# Altium PCB PCB1.PcbDoc (part 2 of 2)
Units mm, origin at the board's own origin, x right, y up, seen from the top; angles counter-clockwise.
Board outline 28.4 x 27.84 mm, 4 copper layers (Component Side, Ground Plane, Power Plane, Solder Side), stack 0.844 mm thick; 86 components, 65 nets, 284 pads, 172 vias.
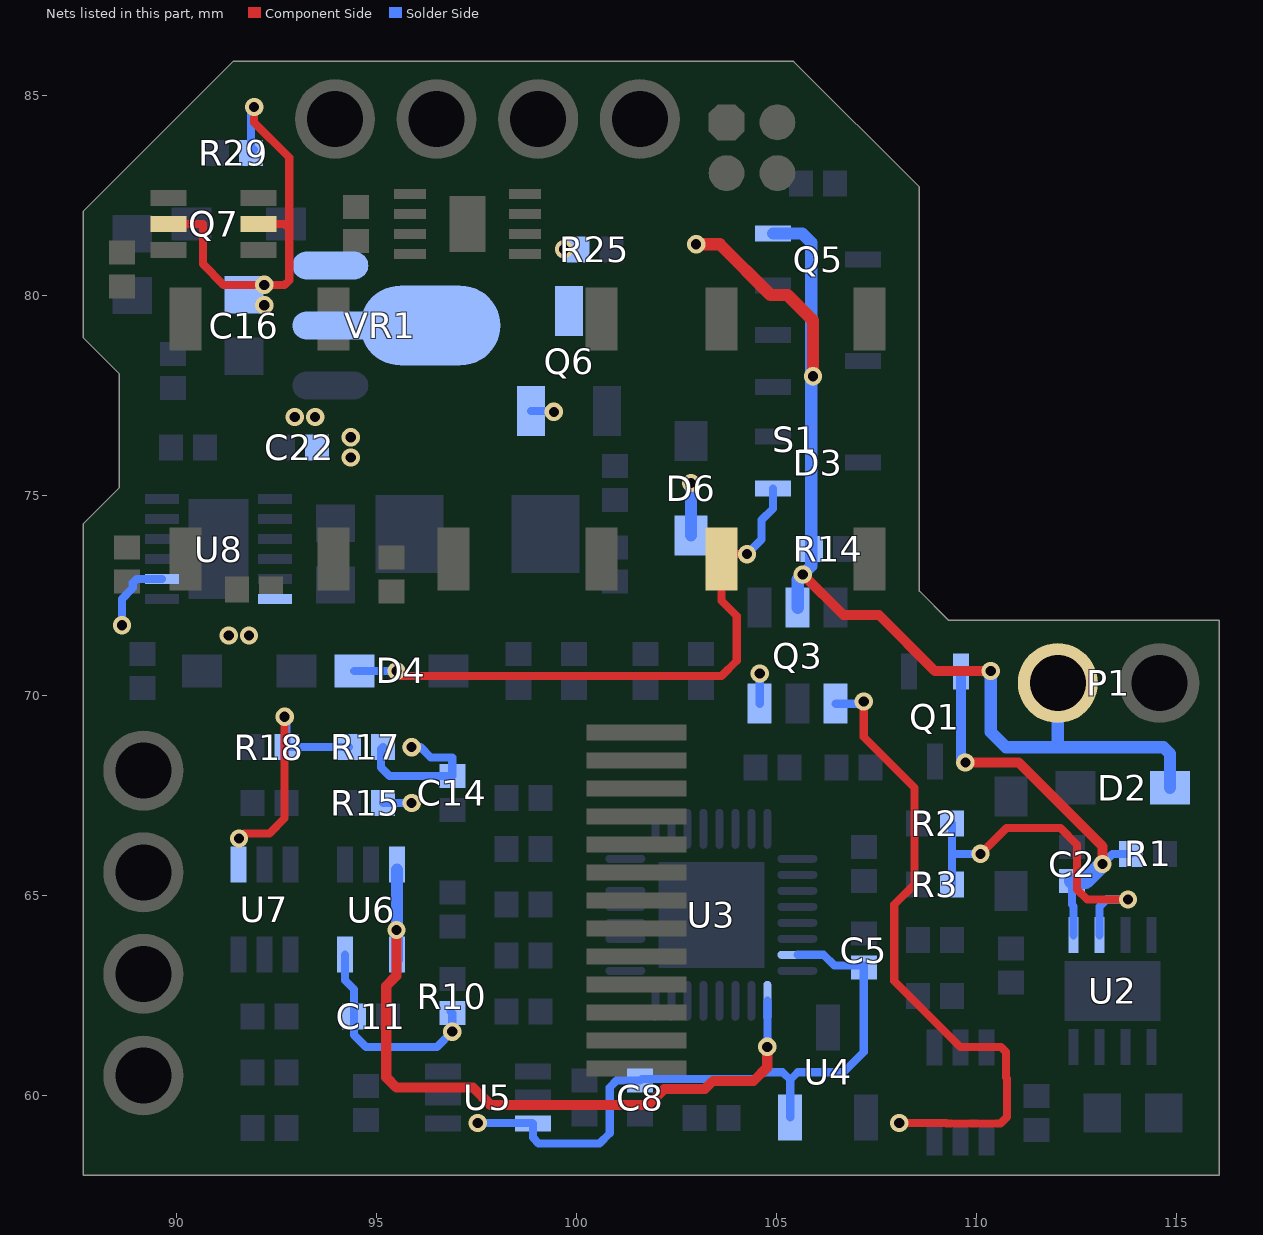
[diagram p4: the nets of this part, all layers, seen from the top]

## Via types
v1: diameter 0.457, hole 0.254, Component Side to Solder Side, tented both sides, 172 vias

## Nets (pads, with @x,y where several pads share a name; then routed paths per layer and width w, separated by ;. In a path a pad name is that pad's centre, name@x,y a point inside that pad or via, vN(x,y) a via of type N, cw(c..) or ccw(c..) an arc to the next point about the centre after c; other vN are vias at no path point) (continued)
UP: D3.1 D4.2 S1.1 | length 15.1
  Component Side w0.203: v1(95.504,70.612) 95.631,70.485 103.632,70.485 104.013,70.866 104.013,71.983 103.628,72.368 S1.1@103.628,73.409 103.752,73.533 v1(104.267,73.533)
  Solder Side w0.203: D4.2@94.451,70.612 v1(95.504,70.612) ; v1(104.267,73.533) 104.635,73.901 104.635,74.384 104.92,74.668 D3.1@104.92,75.169
VACT: Q6.3 VR1.2
VBAT: D2.1 P1.2 Q3.2 Q5.2 Q6.2 R14.2 R25.2 | length 30.4
  Component Side w0.254: v1(105.664,73.025) 106.68,72.009 107.569,72.009 108.966,70.612 v1(110.363,70.612)
  Component Side w0.305: v1(102.997,81.28) 103.586,81.28 104.856,80.01 105.283,80.01 105.918,79.375 v1(105.918,77.978)
  Solder Side w0.203: Q6.2@98.872,77.109 99.421,77.109 v1(99.441,77.089)
  Solder Side w0.305: Q5.2@104.92,81.549 105.649,81.549 105.874,81.324 R14.2@105.874,73.66 105.874,73.235 v1(105.664,73.025) 105.537,72.898 Q3.2@105.537,72.193 ; v1(110.363,70.612) 110.363,69.088 110.744,68.707 114.681,68.707 114.845,68.543 D2.1@114.845,67.691 ; 112.038,68.707 P1.2@112.038,70.309
  other v1: 99.695,81.153
VBS: C14.1 Q3.4 R17.2 | length 20.5
  Component Side w0.203: v1(107.188,69.85) 107.188,68.961 108.458,67.691 108.458,65.278 107.95,64.77 107.95,62.865 109.601,61.214 110.617,61.214 110.744,61.087 110.744,60.452 110.772,60.424 110.772,59.464 110.604,59.296 109.258,59.296 109.246,59.309 v1(108.077,59.309)
  Solder Side w0.203: R17.2@95.167,68.707 95.123,68.663 95.123,68.199 95.333,67.989 C14.1@96.901,67.989 96.901,68.453 96.362,68.453 96.108,68.707 v1(95.885,68.707) v1@95.758,68.707 ; Q3.4@106.487,69.793 107.131,69.793 v1(107.188,69.85)
VDDA: C5.1 C8.1 C11.2 R10.2 R15.2 U3.31 U4.2 U5.3 U6.5 | length 22.8
  Solder Side w0.203: U6.5@94.219,63.518 94.219,62.88 94.444,62.655 C11.2@94.444,61.976 94.444,61.512 94.742,61.214 96.52,61.214 v1(96.901,61.595) R10.2@96.901,62.059 R10.2@96.857,62.103 ; R15.2@95.167,67.31 v1(95.885,67.31) ; v1(97.536,59.309) 98.9,59.309 U5.3@98.915,59.294 98.915,58.946 99.06,58.801 100.584,58.801 100.838,59.055 100.838,60.198 101.009,60.369 C8.1@101.6,60.369 101.645,60.414 104.483,60.414 104.648,60.579 105.161,60.579 105.349,60.391 ; U4.2@105.349,59.454 105.349,60.391 ; U3.31@105.528,63.516 106.182,63.516 106.452,63.246 107.188,63.246 107.188,61.087 106.68,60.579 105.537,60.579 105.349,60.391
VEN: R2.2 R3.2 U2.2 | length 9.1
  Component Side w0.203: v1(110.109,66.04) 110.757,66.688 112.103,66.688 112.522,66.268 112.522,65.151 112.776,64.897 v1(113.792,64.897)
  Solder Side w0.203: R3.2@109.391,65.278 109.391,66.04 ; R2.2@109.391,66.802 109.391,66.04 ; v1(110.109,66.04) 109.391,66.04 ; U2.2@113.086,64.006 113.086,64.725 113.258,64.897 v1(113.792,64.897)
VFB: R17.1 R18.2 U7.1 | length 6.2
  Component Side w0.203: v1(91.567,66.421) 91.694,66.548 92.329,66.548 92.71,66.929 v1(92.71,69.469)
  Solder Side w0.203: v1(92.71,69.469) 92.754,69.425 R18.2@92.754,68.707 R17.1@94.317,68.707
VLDO: C2.2 Q1.2 R1.2 U2.1 | length 10.2
  Component Side w0.254: v1(109.728,68.326) 111.057,68.326 113.157,66.226 v1(113.157,65.786)
  Solder Side w0.203: C2.2@112.395,65.361 112.395,64.77 112.436,64.729 U2.1@112.436,64.006 ; v1(113.157,65.786) 113.411,66.04 R1.2@113.875,66.04
  Solder Side w0.254: Q1.2@109.616,70.594 109.616,68.438 v1(109.728,68.326)
  Solder Side w0.406: C2.2@112.395,65.361 112.732,65.361 v1(113.157,65.786)
VNEG: C16.2 C22.2 Q7.2 Q7.5 R29.2 U8.2 U8.12 VR1.3 | length 13
  Component Side w0.203: Q7.2@89.807,81.788 90.665,81.788 90.665,80.785 91.186,80.264 v1(92.202,80.264) 92.71,80.264 92.824,80.378 92.824,81.674 ; v1(91.948,84.709) 91.948,84.328 92.824,83.452 92.824,81.674 ; Q7.5@92.057,81.788 92.71,81.788 92.824,81.674
  Solder Side w0.203: v1(88.646,71.755) 88.646,72.416 88.913,72.682 88.913,72.809 89.013,72.91 U8.2@89.644,72.91 ; R29.2@91.948,83.649 R29.2@91.865,83.566 91.865,84.626 v1(91.948,84.709)
  other v1: 91.313,71.501 91.821,71.501 94.361,75.946 94.361,76.454 92.964,76.962 93.472,76.962 92.202,79.756
VSCTRL: D6.1 Q3.6 | length 2.2
  Solder Side w0.203: v1@104.521,70.612 v1(104.587,70.546) Q3.6@104.587,69.793
  Solder Side w0.305: D6.1@102.87,74.004 v1(102.87,75.311)
VTEMPSEN: U3.1 U6.3 U6.4 | length 17.9
  Component Side w0.254: v1(95.504,64.135) 95.504,62.992 95.25,62.738 95.25,60.452 95.504,60.198 97.419,60.198 97.859,59.759 101.796,59.759 102.198,60.161 103.214,60.161 103.416,60.363 104.432,60.363 104.775,60.706 v1(104.775,61.214)
  Solder Side w0.203: v1(104.775,61.214) 104.778,61.217 U3.1@104.778,62.366
  Solder Side w0.305: U6.4@95.519,63.391 U6.4@95.519,63.518 U6.3@95.519,65.641
pads on no net: S1.2 S1.4 S2.2 S2.4 S3.2 S3.4 U1.1 U1.2 U1.9 U2.3 U2.5 U2.6 U2.7 U3.4 U3.5 U3.6 U3.7 U3.28 U3.29 U8.3

## Polygon pours and split planes (outlines as drawn)
LX on Solder Side "Component Side-No Net 1" (solid, remove dead copper, pour order 93): 91.999,74.225 93.032,74.225 93.089,74.168 93.091,74.166 93.091,73.914 93.218,73.787 94.234,73.787 95.25,73.787 95.123,73.914 95.123,74.803 91.948,74.803
CP on Solder Side "Component Side-No Net 1" (solid, remove dead copper, pour order 92): 93.089,72.725 93.089,71.63 93.091,71.628 93.218,71.755 95.25,71.755 95.25,73.279 95.504,73.533 95.377,73.406 93.091,73.406
BGND on Solder Side "Component Side-No Net 1" (solid, remove dead copper, pour order 91): 90.495,79.084 90.678,78.901 90.678,76.962 90.678,76.073 91.313,75.438 91.44,75.311 95.25,75.311 95.25,78.74 96.393,79.883 90.551,79.883
BGND on Solder Side "Component Side-No Net 1" (solid, remove dead copper, pour order 81): 88.002,72.477 91.734,72.477 92.075,72.136 91.691,71.752 91.691,70.612 90.839,70.612 90.069,69.842 89.95,69.723 87.122,69.723
GND on Solder Side "Component Side-No Net 1" (solid, remove dead copper, pour order 79): 95.428,82.055 91.821,85.661 91.821,86.36 108.585,86.36 108.839,86.614 118.11,77.343 118.11,72.517 118.11,55.88 116.84,54.61 115.824,55.626 84.455,55.626 84.455,81.915 84.074,82.296
BGND on Solder Side "Component Side-No Net 1" (solid, remove dead copper, pour order 73): 90.259,75.225 90.259,72.047 90.297,72.009 91.821,72.009 91.821,75.201 91.846,75.226 91.781,75.291 91.781,75.438 91.61,75.608 91.534,75.685 90.168,75.685 89.542,75.685 89.535,75.692 89.408,75.565 89.408,75.184
BGND on Solder Side "Component Side-No Net 1" (solid, remove dead copper, pour order 71): 90.311,76.925 90.457,76.779 90.849,76.779 91.126,76.779 91.276,76.629 91.186,76.539 91.186,75.438 91.313,75.438 91.948,74.803 91.987,74.764 93.521,74.764 93.521,77.265 93.599,77.343 93.43,77.512 90.431,77.512
BGND on Solder Side "Component Side-No Net 1" (solid, remove dead copper, pour order 70): 86.487,71.882 86.614,71.755 102.235,71.755 102.235,81.687 101.837,82.084 101.626,82.296 85.598,82.296 85.598,83.312 85.725,83.439
BGND on Solder Side "Component Side-No Net 1" (solid, remove dead copper, pour order 68): 90.805,79.629 90.805,76.581 90.678,76.454 90.805,76.581 96.139,76.581 96.139,79.502 96.266,79.629
VNEG on Solder Side "Component Side-No Net 1" (solid, remove dead copper, pour order 64): 92.71,77.212 94.107,77.212 94.234,77.212 94.361,77.085 94.361,76.196 94.361,75.815 94.234,75.688 92.837,75.688 92.71,75.815
CP on Solder Side "Component Side-No Net 1" (solid, remove dead copper, pour order 61): 91.948,73.152 93.472,73.152 93.472,73.406 94.787,73.406 94.787,72.308 94.615,72.136 93.726,72.136 92.964,72.136 92.964,72.517 91.948,72.517
LX on Solder Side "Component Side-No Net 1" (solid, remove dead copper, pour order 58): 91.948,74.549 92.964,74.549 93.091,74.676 93.091,74.959 94.742,74.959 94.84,75.057 96.901,75.057 96.901,73.025 95.25,73.025 94.996,73.025 94.742,73.279 94.742,73.66 94.615,73.787 93.853,73.787 93.599,73.787 93.472,73.914 93.218,74.168 92.837,74.168 91.948,74.168
VNEG on Solder Side "Component Side-No Net 1" (solid, remove dead copper, pour order 56): 90.932,71.12 90.932,71.882 91.059,72.009 91.948,72.009 92.075,72.136 92.075,72.517 92.837,72.517 92.964,72.517 92.964,71.882 92.837,71.755 92.202,71.12 91.948,71.12
VNEG on Solder Side "Component Side-No Net 1" (solid, remove dead copper, pour order 54): 93.091,76.708 93.091,74.93 94.742,74.93 94.742,76.708
GND on Solder Side "Component Side-No Net 1" (solid, remove dead copper, pour order 76): 113.862,60.575 113.862,60.522 113.665,60.325 113.665,58.293 115.715,58.293 115.754,58.333 115.754,60.449 115.754,60.51 115.689,60.575
GND on Solder Side "Component Side-No Net 1" (solid, remove dead copper, pour order 75): 113.919,58.293 114.051,58.425 114.051,60.575 115.689,60.575 115.754,60.51 116.078,60.187 116.078,58.009
3V3 on Solder Side "Component Side-No Net 1" (solid, remove dead copper, pour order 72): 111.76,61.722 112.649,61.722 112.649,60.706 112.903,60.452 113.03,60.325 113.665,60.325 113.665,60.071 113.665,58.928 113.665,58.547 113.538,58.42 113.284,58.674 111.887,58.674 111.887,60.452 111.76,60.579
GND on Solder Side "Component Side-No Net 1" (solid, remove dead copper, pour order 69): 109.982,59.563 111.887,59.563 112.014,59.436 112.522,58.928 112.903,58.928 113.919,58.928 114.046,59.055 114.046,60.071 114.046,60.198 114.173,60.325 116.078,60.325 116.078,58.009 116.048,58.039 109.982,58.039
VACT on Solder Side "Component Side-No Net 1" (solid, remove dead copper, pour order 48): 92.837,79.883 94.361,79.883 94.869,80.391 95.123,80.645 95.123,81.534 96.393,81.534 96.901,81.534 96.901,80.645 97.028,80.518 97.282,80.518 98.171,80.518 99.314,80.518 99.441,80.391 100.076,80.391 100.203,80.391 100.33,80.264 100.33,79.121 100.33,78.994 100.203,78.867 99.06,78.867 98.806,78.867 98.552,78.613 98.298,78.359 98.298,77.597 98.298,77.216 98.171,77.089 98.044,76.962 95.885,76.962 94.615,76.962 94.488,77.089 94.361,77.216 94.361,78.105 93.091,78.105 92.837,78.359
-V on Solder Side "Component Side-No Net 1" (solid, remove dead copper, pour order 50): 98.298,75.311 101.346,75.311 101.346,73.406 100.33,73.406 100.203,73.279 100.203,73.025 98.425,73.025 98.298,73.152
BGND on Solder Side "Component Side-No Net 1" (solid, remove dead copper, pour order 51): 100.203,73.279 101.219,73.279 101.346,73.406 101.364,73.388 101.364,72.25 99.809,72.25 99.695,72.136 99.441,71.882 98.933,71.882 97.282,71.882 97.155,72.009 97.155,73.533 97.155,73.914 97.282,74.041 97.409,74.168 98.171,74.168 98.171,73.279 98.298,73.152 98.552,72.898 99.949,72.898 100.076,72.898 100.203,73.025
BGND on Solder Side "Component Side-No Net 1" (solid, remove dead copper, pour order 52): 99.314,76.073 101.473,76.073 101.473,75.372 101.346,75.245 101.28,75.311 99.314,75.311
VNEG on Solder Side "Component Side-No Net 1" (solid, remove dead copper, pour order 55): 90.932,79.248 90.932,81.026 91.186,81.28 95.377,81.28 95.377,81.026 95.377,79.756 95.25,79.629 94.996,79.375 94.107,79.375
BGND on Solder Side "Component Side-No Net 1" (solid, remove dead copper, pour order 59): 101.219,82.804 101.219,82.703 102.007,81.915 102.176,81.746 102.176,77.089 103.251,77.089 103.632,76.708 104.013,77.089 104.013,81.915 103.124,82.804
GND on Solder Side "Component Side-No Net 1" (solid, remove dead copper, pour order 80): 110.49,72.136 110.617,72.009 110.617,67.183 114.096,67.183 115.754,65.525 116.586,66.356 116.586,72.136
BGND on Solder Side "Component Side-No Net 1" (solid, remove dead copper, pour order 82): 99.695,76.327 99.695,75.184 99.568,75.057 100.159,74.466 100.159,72.136 101.267,72.136 101.381,72.25 101.648,72.517 102.108,72.517 102.108,81.293 101.577,81.824 100.978,82.423 99.187,82.423 99.06,82.423 98.806,82.169 98.044,82.169
VNEG on Solder Side "Component Side-No Net 1" (solid, remove dead copper, pour order 88): 86.741,82.55 87.757,81.534 92.075,81.534 95.631,81.534 95.631,88.011
GND on Component Side "Component Side-No Net 1" (solid, remove dead copper, pour order 90): 85.471,87.249 85.471,57.15 85.979,56.642 119.126,56.642 119.126,89.916 120.777,91.567
-V on Component Side "Component Side-No Net 1" (solid, remove dead copper, pour order 89): 90.17,84.074 90.17,81.534 90.297,81.407 90.297,80.264 86.741,80.264 86.487,80.518 86.487,84.074
BGND on Component Side "Component Side-No Net 1" (solid, remove dead copper, pour order 49): 87.376,80.645 89.535,80.645 89.789,80.391 89.789,78.867 89.789,78.359 89.662,78.232 89.535,78.105 86.487,78.105
BGND on Component Side "Component Side-No Net 1" (solid, remove dead copper, pour order 86): 92.92,81.915 101.098,81.915 101.696,81.317 101.981,81.032 101.981,75.057 101.981,72.645 100.999,71.664 100.781,71.882 91.948,71.882
BGND on Component Side "Component Side-No Net 1" (solid, remove dead copper, pour order 84): 92.329,78.359 92.583,78.105 94.869,78.105 95.25,77.724 95.441,77.534 95.441,75.501 95.567,75.501 95.885,75.184 96.012,75.311 96.52,75.311 96.928,74.903 97.028,74.803 97.028,72.136 96.901,72.136 96.52,71.755 96.393,71.628 85.598,71.628
BGND on Component Side "Component Side-No Net 1" (solid, remove dead copper, pour order 83): 87.884,80.645 92.558,80.645 92.824,80.378 93.345,79.858 93.345,78.74 93.345,77.851 92.964,77.47 93.599,76.835 93.599,74.295 93.218,73.914 93.218,71.755 87.249,71.755 86.868,71.374
VNEG on Component Side "Component Side-No Net 1" (solid, remove dead copper, pour order 78): 92.075,77.495 94.945,77.495 94.952,77.488 94.742,77.278 94.742,75.057 92.964,75.057 92.71,75.311
BGND on Component Side "Component Side-No Net 1" (solid, remove dead copper, pour order 77): 90.551,78.105 90.565,78.119 93.194,78.119 93.194,77.564 93.01,77.38 92.846,77.216 90.551,77.216
3V3 on Component Side "Component Side-No Net 1" (solid, remove dead copper, pour order 74): 111.252,61.468 113.157,61.468 113.284,61.341 113.157,61.214 113.157,58.547 110.998,58.547 110.871,58.674
BGND on Component Side "Component Side-No Net 1" (solid, remove dead copper, pour order 67): 94.895,80.659 94.895,71.602 95.25,71.247 95.544,70.953 104.691,70.953 104.691,80.67 104.062,81.298
BATT- on Component Side "Component Side-No Net 1" (solid, remove dead copper, pour order 65): 94.996,73.091 95.892,73.091 95.892,71.748 96.012,71.628 95.123,71.628 94.615,71.628 94.488,71.755 94.488,72.771 94.488,72.898 94.615,73.025
BGND on Component Side "Component Side-No Net 1" (solid, remove dead copper, pour order 63): 94.996,73.914 96.52,73.914 96.52,72.644 97.282,72.644 97.282,74.041 97.409,74.168 97.451,74.126 97.878,74.126 98.256,74.126 98.298,74.168 98.298,71.628 96.012,71.628 95.758,71.882 95.758,72.898 94.996,72.898
VNEG on Component Side "Component Side-No Net 1" (solid, remove dead copper, pour order 60): 88.519,79.629 93.218,79.629 93.853,78.994 94.234,79.375 95.123,79.375 95.123,86.741 94.615,87.249 94.361,86.995 87.503,86.995
GND on Component Side "Component Side-No Net 1" (solid, remove dead copper, pour order 57): 91.894,83.961 101.078,83.961 102.108,82.931 101.727,82.55 101.727,79.502 92.641,79.502 92.039,80.104
BGND on Component Side "Component Side-No Net 1" (solid, remove dead copper, pour order 53): 90.551,74.93 90.551,72.009 90.805,72.263 91.948,72.263 92.266,72.581 92.266,74.993
BGND on Component Side "Component Side-No Net 1" (solid, remove dead copper, pour order 62): 102.108,81.801 102.121,81.788 104.902,81.788 104.902,77.491 104.5,77.089 101.981,77.089
GND on Component Side "Component Side-No Net 1" (solid, remove dead copper, pour order 66): 93.739,81.788 95.123,81.788 95.123,81.28 95.365,81.038 95.842,81.038 96.381,81.038 96.393,81.026 96.393,82.677 97.79,82.677 97.917,82.804 99.314,82.804 99.314,80.391 98.552,80.391 98.361,80.2 98.171,80.01 98.171,78.232 97.79,77.851 96.139,77.851 94.996,78.994 94.996,80.137 94.615,80.518 94.431,80.702 93.923,80.702 93.739,80.886
-V on Component Side "Component Side-No Net 1" (solid, remove dead copper, pour order 85): 97.409,76.073 98.044,75.438 101.473,75.438 101.473,73.406 101.219,73.152 100.794,73.577 96.338,73.577
GND on Component Side "Component Side-No Net 1" (solid, remove dead copper, pour order 87): 110.49,71.755 110.49,69.215 110.744,68.961 111.506,68.199 117.094,68.199 117.094,71.882 117.856,72.644
BGND on Ground Plane (split plane): 102.969,81.252 103.63,80.591 103.63,74.984 101.165,72.519 97.907,72.519 97.411,73.015 97.411,73.533 97.402,73.583 97.374,73.625 96.739,74.26 96.697,74.288 96.647,74.297 92.456,74.297 92.406,74.288 92.364,74.26 92.11,74.006 92.082,73.964 92.073,73.914 92.073,72.392 88.188,72.392 88.188,74.086 88.939,74.837 89.002,74.914 89.05,75.002 89.079,75.098 89.088,75.198 89.088,77.907 90.356,77.907 90.405,77.917 90.447,77.945 91.113,78.611 100.965,78.611 101.015,78.62 101.057,78.648 101.819,79.41 101.847,79.452 101.856,79.502 101.856,80.718 102.416,81.278 102.952,81.278
BATT- on Ground Plane (split plane): 96.137,69.777 95.958,69.598 94.869,69.598 94.819,69.589 94.777,69.561 94.015,68.799 93.987,68.757 93.978,68.707 93.978,66.348 93.291,65.661 91.44,65.661 91.39,65.652 91.348,65.624 90.116,64.391 88.188,64.391 88.188,66.8 90.297,66.8 90.347,66.809 90.389,66.837 90.986,67.435 92.71,67.435 92.76,67.444 92.802,67.472 93.31,67.98 93.338,68.022 93.347,68.072 93.347,69.415 94.58,70.647 94.608,70.689 94.617,70.739 94.617,72.261 96.137,72.261
GND on Ground Plane (split plane): 108.068,82.498 108.068,72.609 108.077,72.509 108.106,72.414 108.154,72.325 108.217,72.248 108.944,71.521 109.021,71.458 109.11,71.41 109.205,71.381 109.305,71.372 115.568,71.372 115.568,58.519 88.188,58.519 88.188,59.309 90.297,59.309 90.297,64.206 91.494,65.403 93.345,65.403 93.395,65.412 93.437,65.44 94.199,66.202 94.227,66.244 94.236,66.294 94.236,68.653 94.923,69.34 96.012,69.34 96.062,69.349 96.104,69.377 96.358,69.631 96.386,69.673 96.395,69.723 96.395,72.39 96.386,72.44 96.358,72.482 96.316,72.51 96.266,72.519 94.488,72.519 94.438,72.51 94.396,72.482 94.368,72.44 94.359,72.39 94.359,70.793 93.126,69.561 93.098,69.519 93.089,69.469 93.089,68.126 92.656,67.693 90.932,67.693 90.882,67.684 90.84,67.656 90.424,67.239 90.424,69.215 88.188,69.215 88.188,72.134 92.073,72.134 92.122,72.143 92.137,72.154 92.152,72.143 92.202,72.134 92.252,72.143 92.294,72.171 92.322,72.213 92.331,72.263 92.331,73.86 92.51,74.039 96.593,74.039 97.153,73.479 97.153,72.962 97.162,72.912 97.19,72.87 97.762,72.298 97.804,72.27 97.853,72.261 101.219,72.261 101.269,72.27 101.311,72.298 103.851,74.838 103.879,74.88 103.888,74.93 103.888,80.645 103.879,80.695 103.851,80.737 103.152,81.435 103.114,81.46 103.089,81.499 103.047,81.527 102.997,81.536 102.362,81.536 102.312,81.527 102.27,81.499 101.635,80.864 101.607,80.822 101.598,80.772 101.598,79.556 100.911,78.869 91.059,78.869 91.009,78.86 90.967,78.832 90.302,78.166 89.07,78.166 89.05,78.232 89.002,78.32 88.939,78.397 88.188,79.148 88.188,81.898 88.968,82.677 89.535,82.677 89.535,83.244 91.632,85.342 105.224,85.342
DCDCEN on Power Plane (split plane): 108.068,82.498 108.068,81.282 106.988,81.282 106.809,81.461 106.809,82.677 106.8,82.727 106.772,82.769 106.01,83.531 105.968,83.559 105.918,83.568 100.638,83.568 100.332,83.874 100.332,85.342 105.224,85.342
PG on Power Plane (split plane): 104.556,76.743 104.598,76.715 104.648,76.706 108.068,76.706 108.068,72.609 108.077,72.509 108.106,72.414 108.154,72.325 108.179,72.294 107.134,71.249 106.934,71.249 106.884,71.24 106.842,71.212 106.626,70.995 106.099,70.995 106.047,71.047 106.047,71.955 106.264,72.171 106.292,72.213 106.301,72.263 106.301,73.098 107.026,73.822 107.054,73.864 107.063,73.914 107.063,75.438 107.054,75.488 107.026,75.53 106.518,76.038 106.476,76.066 106.426,76.075 104.321,76.075 103.724,76.673 103.682,76.701 103.632,76.71 101.983,76.71 101.983,77.595 103.705,77.595
VBAT on Power Plane (split plane): 103.376,80.699 101.762,79.086 101.734,79.044 101.725,78.994 101.725,76.71 98.987,76.71 98.681,77.016 98.681,80.391 98.681,81.786 103.376,81.786
VSCTRL on Power Plane (split plane): 104.175,75.854 104.217,75.826 104.267,75.817 106.372,75.817 106.805,75.384 106.805,73.968 106.08,73.244 106.052,73.202 106.043,73.152 106.043,72.317 105.826,72.101 105.798,72.059 105.789,72.009 105.789,70.993 105.798,70.943 105.826,70.901 105.862,70.866 105.102,70.106 104.321,70.106 104.142,70.285 104.142,70.864 104.902,70.864 104.952,70.873 104.994,70.901 105.248,71.155 105.276,71.197 105.285,71.247 105.285,71.755 105.276,71.805 105.248,71.847 103.724,73.371 103.682,73.399 103.632,73.408 101.983,73.408 101.983,76.452 103.578,76.452
BLED- on Power Plane (split plane): 101.217,69.415 101.217,63.246 101.226,63.196 101.254,63.154 101.635,62.773 101.677,62.745 101.727,62.736 104.775,62.736 104.825,62.745 104.867,62.773 104.956,62.863 105.61,62.863 105.789,62.684 105.789,62.157 105.737,62.105 101.527,62.105 100.84,62.792 100.84,68.707 100.831,68.757 100.803,68.799 99.914,69.688 99.872,69.716 99.822,69.725 98.171,69.725 98.121,69.716 98.079,69.688 97.863,69.471 97.336,69.471 97.284,69.523 97.284,70.177 97.336,70.229 100.403,70.229
VDDA on Power Plane (split plane): 96.518,67.51 96.518,67.11 95.92,66.513 95.892,66.471 95.883,66.421 95.883,66.167 95.892,66.117 95.92,66.075 96.174,65.821 96.216,65.793 96.266,65.784 97.482,65.784 97.661,65.605 97.661,62.23 97.67,62.18 97.698,62.138 99.095,60.741 99.137,60.713 99.187,60.704 101.165,60.704 101.344,60.525 101.344,59.565 98.425,59.565 98.375,59.556 98.333,59.528 97.863,59.057 97.209,59.057 96.866,59.401 96.824,59.429 96.774,59.438 92.637,59.438 91.696,60.379 91.696,67.637 92.129,68.07 95.958,68.07
3V3 on Power Plane (split plane): 100.074,83.82 100.083,83.77 100.111,83.728 100.492,83.347 100.534,83.319 100.584,83.31 105.864,83.31 106.551,82.623 106.551,81.407 106.56,81.357 106.588,81.315 106.842,81.061 106.884,81.033 106.934,81.024 108.068,81.024 108.068,76.964 104.702,76.964 103.851,77.816 103.809,77.844 103.759,77.853 101.983,77.853 101.983,78.94 103.597,80.553 103.625,80.595 103.634,80.645 103.634,81.915 103.625,81.965 103.597,82.007 103.555,82.035 103.505,82.044 90.37,82.044 89.519,82.896 89.507,82.903 89.5,82.915 89.353,83.062 91.632,85.342 100.074,85.342
VNEG on Power Plane (split plane): 94.613,76.781 94.613,75.619 93.926,74.932 92.964,74.932 92.914,74.923 92.872,74.895 92.491,74.514 92.463,74.472 92.454,74.422 92.454,71.249 88.188,71.249 88.188,72.733 90.152,72.733 90.459,72.425 90.501,72.397 90.551,72.388 91.694,72.388 91.744,72.397 91.786,72.425 91.814,72.467 91.823,72.517 91.823,75.69 92.91,75.69 93.126,75.473 93.168,75.445 93.218,75.436 93.599,75.436 93.649,75.445 93.691,75.473 93.945,75.727 93.973,75.769 93.982,75.819 93.982,76.833 94.561,76.833
VNEG on Power Plane (split plane): 92.835,80.464 92.835,79.375 92.844,79.325 92.872,79.283 93.507,78.648 93.724,78.432 93.724,76.962 93.724,76.708 93.724,76.583 92.764,76.583 92.712,76.635 92.712,77.162 93.056,77.505 93.084,77.547 93.093,77.597 93.093,77.851 93.084,77.901 93.056,77.943 91.696,79.302 91.696,80.516 92.783,80.516
3V3 on Power Plane (split plane): 105.027,71.701 105.027,71.301 104.848,71.122 104.013,71.122 103.963,71.113 103.921,71.085 103.893,71.043 103.884,70.993 103.884,70.231 103.893,70.181 103.921,70.139 104.175,69.885 104.217,69.857 104.267,69.848 105.156,69.848 105.206,69.857 105.248,69.885 106.045,70.683 106.073,70.725 106.075,70.737 106.68,70.737 106.73,70.746 106.772,70.774 106.988,70.991 107.188,70.991 107.238,71 107.28,71.028 108.358,72.107 108.944,71.521 109.021,71.458 109.11,71.41 109.205,71.381 109.305,71.372 110.871,71.372 110.871,68.834 115.568,68.834 115.568,58.519 108.714,58.519 108.714,59.563 108.705,59.613 108.677,59.655 108.296,60.036 108.254,60.064 108.204,60.073 106.807,60.073 106.807,60.325 104.14,60.325 104.14,59.565 101.602,59.565 101.602,60.579 101.593,60.629 101.565,60.671 101.311,60.925 101.269,60.953 101.219,60.962 99.241,60.962 97.919,62.284 97.919,65.659 97.91,65.709 97.882,65.751 97.628,66.005 97.586,66.033 97.536,66.042 96.32,66.042 96.141,66.221 96.141,66.367 96.739,66.964 96.767,67.006 96.776,67.056 96.776,67.564 96.767,67.614 96.739,67.656 96.195,68.199 96.485,68.488 96.513,68.53 96.522,68.58 96.522,68.834 96.513,68.884 96.485,68.926 96.104,69.307 96.062,69.335 96.012,69.344 91.821,69.344 91.771,69.335 91.729,69.307 90.586,68.164 90.558,68.122 90.549,68.072 90.549,58.519 88.188,58.519 88.188,70.991 96.647,70.991 96.697,71 96.739,71.028 98.352,72.642 101.346,72.642 101.396,72.651 101.438,72.679 101.908,73.15 103.578,73.15
VBS on Power Plane (split plane): 96.264,68.78 96.264,68.634 96.012,68.382 95.984,68.34 95.982,68.328 92.075,68.328 92.025,68.319 91.983,68.291 91.475,67.783 91.447,67.741 91.438,67.691 91.438,60.325 91.447,60.275 91.475,60.233 92.491,59.217 92.533,59.189 92.583,59.18 96.72,59.18 97.063,58.836 97.105,58.808 97.155,58.799 97.917,58.799 97.967,58.808 98.009,58.836 98.479,59.307 104.14,59.307 104.19,59.316 104.232,59.344 104.26,59.386 104.269,59.436 106.807,59.436 106.807,59.815 108.15,59.815 108.456,59.509 108.456,58.519 90.807,58.519 90.807,68.018 91.875,69.086 95.958,69.086
-V on Power Plane (split plane): 89.287,82.761 89.288,82.754 89.316,82.712 89.358,82.684 89.365,82.683 90.224,81.823 90.266,81.795 90.316,81.786 98.423,81.786 98.423,80.391 98.423,76.962 98.432,76.912 98.46,76.87 98.841,76.489 98.883,76.461 98.933,76.452 101.725,76.452 101.725,73.333 101.292,72.9 98.298,72.9 98.248,72.891 98.206,72.863 96.593,71.249 92.712,71.249 92.712,74.368 93.018,74.674 93.98,74.674 94.03,74.683 94.072,74.711 94.834,75.473 94.862,75.515 94.871,75.565 94.871,76.835 94.862,76.885 94.834,76.927 94.707,77.054 94.665,77.082 94.615,77.091 93.982,77.091 93.982,78.486 93.973,78.536 93.945,78.578 93.691,78.832 93.093,79.429 93.093,80.518 93.084,80.568 93.056,80.61 92.929,80.737 92.887,80.765 92.837,80.774 91.567,80.774 91.517,80.765 91.475,80.737 91.447,80.695 91.438,80.645 91.438,79.248 91.447,79.198 91.475,79.156 92.835,77.797 92.835,77.651 92.491,77.308 92.463,77.266 92.454,77.216 92.454,76.581 92.463,76.531 92.491,76.489 92.618,76.362 92.66,76.334 92.71,76.325 93.724,76.325 93.724,75.873 93.545,75.694 93.272,75.694 93.056,75.911 93.014,75.939 92.964,75.948 91.694,75.948 91.644,75.939 91.602,75.911 91.574,75.869 91.565,75.819 91.565,72.646 90.605,72.646 90.297,72.954 90.255,72.982 90.205,72.992 88.188,72.992 88.188,74.086 88.939,74.837 89.002,74.914 89.05,75.002 89.079,75.098 89.088,75.198 89.088,78.037 89.079,78.136 89.05,78.232 89.002,78.32 88.939,78.397 88.188,79.148 88.188,81.898 89.169,82.879

## Keep-outs
Keep-Out Layer:
  the board outline again, w0.254

## Other copper
Solder Side:
  rectangle net GND: 112.268,61.976 115.57,63.246
Ground Plane (plane layer: these items are gaps in the copper):
  rectangle: 87.678,66.929 90.424,69.215
  rectangle: 87.884,59.309 90.297,64.262
  rectangle: 89.154,82.677 89.535,83.439
  rectangle: 88.773,82.677 89.154,83.058
  lines w0.254: 87.678,72.263 92.073,72.263 ; 87.884,64.262 90.17,64.262 91.44,65.532 93.345,65.532 94.107,66.294 94.107,68.707 94.869,69.469 96.012,69.469 96.266,69.723 96.266,72.39 94.488,72.39 94.488,70.739 93.218,69.469 93.218,68.072 92.71,67.564 90.932,67.564 90.297,66.929 88.011,66.929 ; 88.578,78.037 90.356,78.037 91.059,78.74 100.965,78.74 101.727,79.502 101.727,80.772 102.362,81.407 102.997,81.407 ; 92.202,72.263 92.202,73.914 92.456,74.168 96.647,74.168 97.282,73.533 97.282,72.962 97.853,72.39 101.219,72.39 103.759,74.93 103.759,80.645 103.06,81.343
Power Plane (plane layer: these items are gaps in the copper):
  rectangle: 104.14,59.436 106.807,60.325
  rectangle: 110.871,68.834 115.951,71.882
  rectangle: 90.424,68.834 90.678,69.088
  lines w0.254: 88.011,71.12 96.647,71.12 98.298,72.771 101.346,72.771 ; 88.188,72.863 90.205,72.863 90.551,72.517 91.694,72.517 91.694,75.819 92.964,75.819 93.218,75.565 93.599,75.565 93.853,75.819 93.853,76.962 94.615,76.962 94.742,76.835 94.742,75.565 93.98,74.803 92.964,74.803 92.583,74.422 92.583,71.12 92.837,71.12 ; 88.9,83.331 89.408,82.823 89.408,82.804 89.427,82.804 90.316,81.915 103.505,81.915 103.505,80.645 101.854,78.994 101.854,73.279 ; 90.424,58.166 90.678,58.42 90.678,68.072 91.821,69.215 96.012,69.215 96.393,68.834 96.393,68.58 96.104,68.291 ; 93.853,76.454 92.71,76.454 92.583,76.581 92.583,77.216 92.964,77.597 92.964,77.851 91.567,79.248 91.567,80.645 92.837,80.645 92.964,80.518 92.964,79.375 93.599,78.74 93.853,78.486 93.853,76.708 ; 94.869,59.309 96.774,59.309 97.155,58.928 97.917,58.928 98.425,59.436 101.473,59.436 101.473,60.579 101.219,60.833 99.187,60.833 97.79,62.23 97.79,65.659 97.536,65.913 96.266,65.913 ; 95.123,59.309 92.583,59.309 91.567,60.325 91.567,67.691 92.075,68.199 96.012,68.199 96.647,67.564 96.647,67.056 96.012,66.421 96.012,66.167 96.266,65.913 ; 98.552,81.915 98.552,80.391 98.552,76.962 98.933,76.581 101.854,76.581 103.632,76.581 104.267,75.946 106.426,75.946 106.934,75.438 106.934,73.914 106.172,73.152 106.172,72.263 105.918,72.009 105.918,70.993 106.045,70.866 106.68,70.866 106.934,71.12 107.188,71.12 108.458,72.39 ; 100.711,85.852 100.203,85.852 100.203,83.82 100.584,83.439 105.918,83.439 106.68,82.677 106.68,81.407 106.934,81.153 108.331,81.153 ; 101.219,59.436 101.615,59.436 104.14,59.436 ; 101.219,72.771 101.346,72.771 ; 101.854,77.724 103.759,77.724 104.648,76.835 108.331,76.835 ; 105.953,70.774 105.156,69.977 104.267,69.977 104.013,70.231 104.013,70.993 104.648,70.993 104.902,70.993 105.156,71.247 105.156,71.755 103.632,73.279 101.854,73.279 ; 106.68,59.944 108.204,59.944 108.585,59.563 108.585,58.166 ; 96.266,65.913 96.774,65.913 96.266,65.913 ; 101.346,72.771 101.854,73.279 ; 97.155,69.469 97.155,70.231 97.282,70.358 100.457,70.358 101.346,69.469 101.346,63.246 101.727,62.865 104.775,62.865 104.902,62.992 105.664,62.992 105.918,62.738 105.918,62.103 105.791,61.976 101.473,61.976 100.711,62.738 100.711,68.707 99.822,69.596 98.171,69.596 97.917,69.342 97.282,69.342 97.155,69.469

## Silkscreen, mask and mechanical layers (free items; w line width, h text height)
Top Overlay:
  rectangle: 99.187,80.391 99.695,80.899
  text "M" at 99.695,81.407 h1.52 r270
  text "DOWN" at 103.378,80.772 h1.5
  text "ESC" at 104.267,79.502 h1.4
  text "UP" at 91.44,79.375 h1.27
  text "ACT" at 97.663,79.375 h1.27
  text "ENT" at 95.377,78.359 h1.27 r90
  text "0.96\" TFTLCD" at 88.265,70.231 h1.4
  text "1" at 100.457,70.231 h1.4 r270
  text "充电控制/管理系统" at 96.901,69.977 h1.4 r270
  text "VBAT" at 106.553,69.723 h1.52
  text "By:Redstoner_35" at 95.377,69.469 h1.4 r270
  text "JLCJLCJLCJLC" at 92.456,69.088 h1.4 r270
  text "车工X75电池架" at 98.552,69.088 h1.4 r270
  text "VB" at 91.694,67.31 h1.52 r90
  text "B-" at 91.821,64.897 h1.52 r90
  text "ISN" at 91.821,61.976 h1.52 r90
  text "13" at 100.584,60.325 h1.4 r270
  text "ISP" at 91.821,59.436 h1.52 r90
  text "G" at 114.427,59.309 h1.5
  text "抄板全家死光" at 106.172,59.055 h1.4
Bottom Overlay:
  rectangle: 105.283,62.366 105.528,62.611
  rectangle: 111.711,63.5 112.014,64.311
  rectangle: 105.745,74.719 106.345,75.057
  rectangle: 105.745,79.799 106.345,80.137
  rectangle: 105.745,77.259 106.345,77.597
  rectangle: 107.866,69.169 108.204,69.769
  rectangle: 106.553,70.693 107.037,71.293
  lines w0.254: 87.757,69.342 90.424,69.342 90.424,58.039 ; 110.617,71.882 110.617,68.834 116.078,68.834
  text "V1.3" at 105.664,83.82 h2
  text "GT96 CM/S" at 102.87,82.931 h1.27 r90
  text "SubSystem" at 104.14,82.804 h1.27 r90
  text "E" at 101.346,82.169 h1.27
  text "CL" at 95.25,82.042 h1.5
  text "DA" at 97.663,82.042 h1.5
  text "INT" at 99.949,82.042 h1.5
  text "PCB&Fw By:" at 103.632,68.453 h1.2
  text "Red-35" at 103.632,67.437 h1.52
  text "烫" at 104.013,60.579 h1.4
Mechanical 6:
  circle w0.254: c93.968,84.409 r0.45
  circle w0.254: c96.508,84.409 r0.45
  circle w0.254: c99.048,84.409 r0.45
  circle w0.254: c101.588,84.409 r0.45
  circle w0.254: c89.178,68.119 r0.45
  circle w0.254: c89.178,65.579 r0.45
  circle w0.254: c89.178,63.039 r0.45
  circle w0.254: c89.178,60.499 r0.45
  circle w0.254: c112.038,70.309 r0.45
  circle w0.254: c114.578,70.309 r0.45
  circle w0.254: c92.078,76.409 r1.5
  circle w0.254: c98.778,76.409 r1.5
  circle w0.254: c105.413,76.409 r1.5
  lines w0.254: 93.218,85.852 105.435,85.852 108.585,82.702 108.585,72.602 109.305,71.882 116.078,71.882 116.078,58.009 89.408,58.009 87.738,58.009 87.708,58.039 87.678,58.009 87.678,74.298 88.578,75.198 88.578,78.037 87.678,78.937 87.678,82.109 91.421,85.852 94.615,85.852